# Altium PCB PA_8CH_CTRL.PcbDoc (part 5 of 11)
Units mil, origin at the board's own origin, x right, y up, seen from the top; angles counter-clockwise.
Board outline 15354.33 x 4330.71 mil, 4 copper layers (Component Side, Signal Layer 1, Power Plane, Solder Side), stack 63.149 mil thick; 907 components, 557 nets, 2683 pads, 1897 vias.
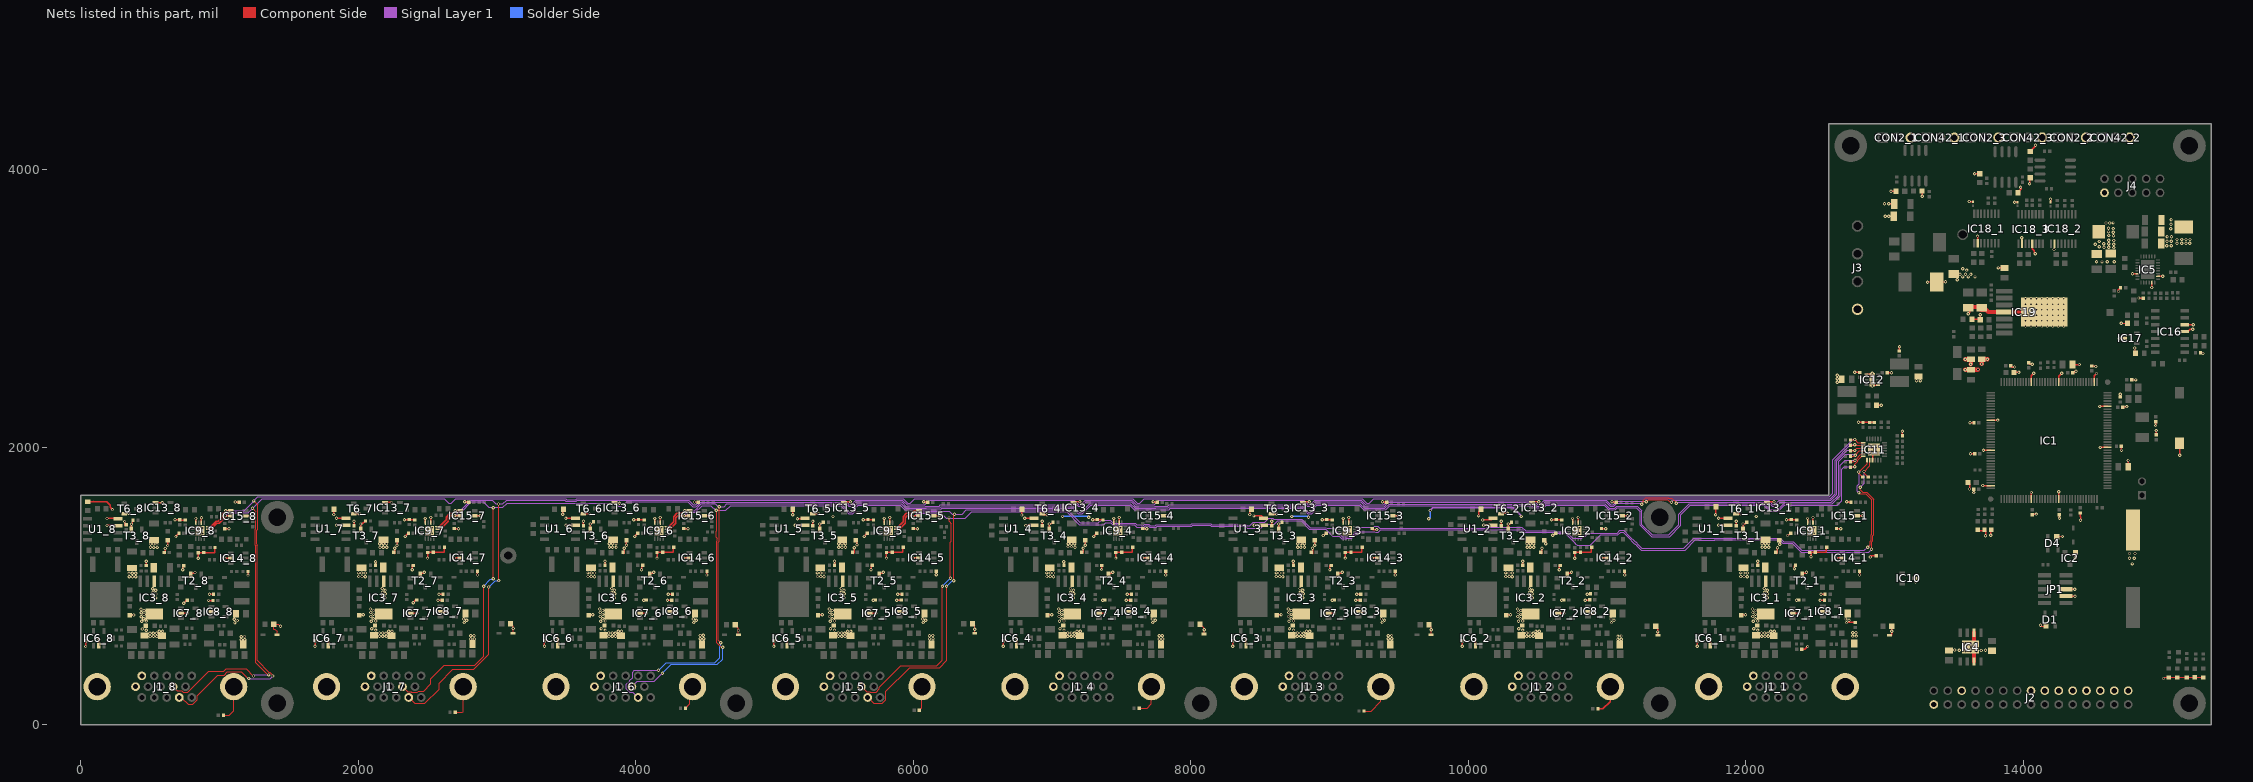
[diagram p7: the nets of this part, all layers, seen from the top]

## Via types
v1: diameter 23.62, hole 11.81, Component Side to Solder Side, tented both sides, 1569 vias
v2: diameter 23.62, hole 11.81, Component Side to Solder Side, 328 vias

## Nets (pads, with @x,y where several pads share a name; then routed paths per layer and width w, separated by ;. In a path a pad name is that pad's centre, name@x,y a point inside that pad or via, vN(x,y) a via of type N, cw(c..) or ccw(c..) an arc to the next point about the centre after c; other vN are vias at no path point) (continued)
GND: C1.2 C2.2 C3.2 C4.2 C5.2 C6.2 C7.2 C8.2 C9.2 C10.2 C11.2 C12.2 C13.2 C14.2 C15.2 C16.2 C17.1 C18.1 C19_1.1 C19_2.1 C19_3.1 C19_4.1 C19_5.1 C19_6.1 C19_7.1 C19_8.1 C20_1.1 C20_2.1 C20_3.1 C20_4.1 C20_5.1 C20_6.1 C20_7.1 C20_8.1 C21.1 C22.1 C24.1 C25.1 C28_1.1 C28_2.1 C28_3.1 C28_4.1 C28_5.1 C28_6.1 C28_7.1 C28_8.1 C29.1 C30.1 C31.1 C32_1.1 C32_2.1 C32_3.1 C32_4.1 C32_5.1 C32_6.1 C32_7.1 C32_8.1 C33_1.1 C33_2.1 C33_3.1 C33_4.1 C33_5.1 C33_6.1 C33_7.1 C33_8.1 C34_1.1 C34_2.1 C34_3.1 C34_4.1 C34_5.1 C34_6.1 C34_7.1 C34_8.1 C36_1.1 C36_2.1 C36_3.1 C36_4.1 C36_5.1 C36_6.1 C36_7.1 C36_8.1 C37_1.1 C37_2.1 C37_3.1 C37_4.1 C37_5.1 C37_6.1 C37_7.1 C37_8.1 C39_1.2 C39_2.2 C39_3.2 C39_4.2 C39_5.2 C39_6.2 C39_7.2 C39_8.2 C42_1.1 C42_2.1 C42_3.1 C42_4.1 C42_5.1 C42_6.1 C42_7.1 C42_8.1 C43_1.1 C43_2.1 C43_3.1 C43_4.1 C43_5.1 C43_6.1 C43_7.1 C43_8.1 C44_1.2 C44_2.2 C44_3.2 C44_4.2 C44_5.2 C44_6.2 C44_7.2 C44_8.2 C45_1.1 C45_2.1 C45_3.1 C45_4.1 C45_5.1 C45_6.1 C45_7.1 C45_8.1 C46_1.2 C46_2.2 C46_3.2 C46_4.2 C46_5.2 C46_6.2 C46_7.2 C46_8.2 C47_1.1 C47_2.1 C47_3.1 C47_4.1 C47_5.1 C47_6.1 C47_7.1 C47_8.1 C48_1.1 C48_2.1 C48_3.1 C48_4.1 C48_5.1 C48_6.1 C48_7.1 C48_8.1 C49_1.2 C49_2.2 C49_3.2 C49_4.2 C49_5.2 C49_6.2 C49_7.2 C49_8.2 C50_1.2 C50_2.2 C50_3.2 C50_4.2 C50_5.2 C50_6.2 C50_7.2 C50_8.2 C51_1.2 C51_2.2 C51_3.2 C51_4.2 C51_5.2 C51_6.2 C51_7.2 C51_8.2 C52.2 C53.2 C54.2 C55.1 C56.1 C57.1 C58.1 C60_1.1 C60_2.1 C60_3.1 C60_4.1 C60_5.1 C60_6.1 C60_7.1 C60_8.1 C61.2 C63.1 C64.1 C65.2 C66.1 C67.1 C68.1 C69.1 C70.1 C74.1 C75.1 C76.1 C109_1.1 C109_2.1 C109_3.1 C110_1.1 C110_2.1 C110_3.1 C113_1.1 C113_2.1 C113_3.1 CON2_1.3 CON2_2.3 CON2_3.3 CON42_1.3 CON42_2.3 CON42_3.3 D1.1 D4.1 D6_1.1 D6_2.1 D6_3.1 D6_4.1 D6_5.1 D6_6.1 D6_7.1 D6_8.1 IC1.16 IC1.31 IC1.38 IC1.51 IC1.61 IC1.83 IC1.94 IC1.107 IC1.120 IC1.130 IC2.1 IC3_1.3 IC3_1.6 IC3_2.3 IC3_2.6 IC3_3.3 IC3_3.6 IC3_4.3 IC3_4.6 IC3_5.3 IC3_5.6 IC3_6.3 IC3_6.6 IC3_7.3 IC3_7.6 IC3_8.3 IC3_8.6 IC4.3 IC4.6 IC4.9 IC5.6 IC5.13 IC5.16 IC6_1.2 IC6_2.2 IC6_3.2 IC6_4.2 IC6_5.2 IC6_6.2 IC6_7.2 IC6_8.2 IC7_1.2 IC7_2.2 IC7_3.2 IC7_4.2 IC7_5.2 IC7_6.2 IC7_7.2 IC7_8.2 IC8_1.2 IC8_2.2 IC8_3.2 IC8_4.2 IC8_5.2 IC8_6.2 IC8_7.2 IC8_8.2 IC9_1.6 IC9_1.8 IC9_1.17 IC9_2.6 IC9_2.8 IC9_2.17 IC9_3.6 IC9_3.8 IC9_3.17 IC9_4.6 IC9_4.8 IC9_4.17 IC9_5.6 IC9_5.8 IC9_5.17 IC9_6.6 IC9_6.8 IC9_6.17 IC9_7.6 IC9_7.8 IC9_7.17 IC9_8.6 IC9_8.8 IC9_8.17 IC10.3 IC11.9 IC11.25 IC12.1 IC12.6 IC12.11 IC13_1.1 IC13_2.1 IC13_3.1 IC13_4.1 IC13_5.1 IC13_6.1 IC13_7.1 IC13_8.1 IC14_1.2 IC14_2.2 IC14_3.2 IC14_4.2 IC14_5.2 IC14_6.2 IC14_7.2 IC14_8.2 IC15_1.2 IC15_2.2 IC15_3.2 IC15_4.2 IC15_5.2 IC15_6.2 IC15_7.2 IC15_8.2 IC16.11 IC16.12 IC17.3 IC18_1.10 IC18_2.10 IC18_3.10 IC18_3.13 IC19.4 IC19.8 J1_1.6 J1_1.11 J1_1.16 J1_1.17 J1_2.6 J1_2.11 J1_2.16 J1_2.17 J1_3.6 J1_3.11 J1_3.16 J1_3.17 J1_4.6 J1_4.11 J1_4.16 J1_4.17 J1_5.6 J1_5.11 J1_5.16 J1_5.17 J1_6.6 J1_6.11 J1_6.16 J1_6.17 J1_7.6 J1_7.11 J1_7.16 J1_7.17 J1_8.6 J1_8.11 J1_8.16 J1_8.17 J2.1 J2.3 J2.5 J2.7 J2.9 J2.11 J2.13 J2.15 J2.25 J2.30 J3.4 J4.10 JP1.3 JP1.5 L3.2 L5.2 LD1_1.1 LD1_2.1 LD1_3.1 LD1_4.1 LD1_5.1 LD1_6.1 LD1_7.1 LD1_8.1 LD2_1.1 LD2_2.1 LD2_3.1 LD2_4.1 LD2_5.1 LD2_6.1 LD2_7.1 LD2_8.1 LD3.1 LD9.1 LD10.1 LD11.1 LD12_1.2 LD12_2.2 LD12_3.2 LD12_4.2 LD12_5.2 LD12_6.2 LD12_7.2 LD12_8.2 LD16.1 LD17.1 LD18.2 LD19.1 PB1.2 R2.1 R4.2 R9_1.1 R9_2.1 R9_3.1 R9_4.1 R9_5.1 R9_6.1 R9_7.1 R9_8.1 R13_1.1 R13_2.1 R13_3.1 R13_4.1 R13_5.1 R13_6.1 R13_7.1 R13_8.1 R16.1 R18.1 R31.1 R34_1.2 R34_2.2 R34_3.2 R34_4.2 R34_5.2 R34_6.2 R34_7.2 R34_8.2 R40_1.2 R40_2.2 R40_3.2 R40_4.2 R40_5.2 R40_6.2 R40_7.2 R40_8.2 R50_1.2 R50_2.2 R50_3.2 R50_4.2 R50_5.2 R50_6.2 R50_7.2 R50_8.2 R59_1.2 R59_2.2 R59_3.2 R59_4.2 R59_5.2 R59_6.2 R59_7.2 R59_8.2 R66.1 R67.1 R69.1 R82.1 R83.1 R85_1.1 R85_2.1 R85_3.1 R85_4.1 R85_5.1 R85_6.1 R85_7.1 R85_8.1 R90_1.1 R90_2.1 R90_3.1 R90_4.1 R90_5.1 R90_6.1 R90_7.1 R90_8.1 R95.2 R97.1 R99.1 T2_1.2 T2_2.2 T2_3.2 T2_4.2 T2_5.2 T2_6.2 T2_7.2 T2_8.2 T3_1.2 T3_2.2 T3_3.2 T3_4.2 T3_5.2 T3_6.2 T3_7.2 T3_8.2 T6_1.2 T6_2.2 T6_3.2 T6_4.2 T6_5.2 T6_6.2 T6_7.2 T6_8.2 U1_1.3 U1_1.4 U1_2.3 U1_2.4 U1_3.3 U1_3.4 U1_4.3 U1_4.4 U1_5.3 U1_5.4 U1_6.3 U1_6.4 U1_7.3 U1_7.4 U1_8.3 U1_8.4 | length 19445.8
  Component Side w6: v1(365.6,1446.6) 376.5,1457.5 R40_8.2@376.5,1475 ; R34_8.2@1028.5,70 1070,70 1102.17,102.17 J1_8.17@1102.17,275.59 ; D6_8.1@1401.02,648.98 D6_8.1@1415.51,648.98 1415.51,674.49 1400,690 1391.5,690 C28_8.1@1391.5,725 1425,725 v1(1440,710) ; R34_7.2@2698.5,90 2750,90 2755.71,95.71 J1_7.17@2755.71,275.59 ; C28_7.1@3096.5,730 3116.18,710.31 v1(3116.18,695) D6_7.1@3116.18,660 ; v1(3672.69,1447.74) 3679.24,1447.74 R40_6.2@3696.5,1465 ; R34_6.2@4358.5,120 4390,151.5 4390,256.34 J1_6.17@4409.25,275.59 ; C28_6.1@4716.5,720 4716.5,718.5 4740,695 v1(4740,680) 4740,660 ; v1(5326.23,1447.74) 5337.74,1447.74 5350,1460 R40_5.2@5351.5,1460 ; R34_5.2@6043.5,105 6045,105 6062.8,122.8 J1_5.17@6062.8,275.59 ; C28_5.1@6430,730 6442.99,717.01 v1(6442.99,688.7) D6_5.1@6442.99,660.39 ; v1(6979.77,1447.74) 6994.24,1447.74 R40_4.2@7006.5,1460 ; R34_4.2@7628.5,120 7685,120 7716.34,151.34 J1_4.17@7716.34,275.59 ; C28_4.1@8066.5,725 8096.18,695.31 v1(8096.18,685) D6_4.1@8096.18,655 ; R34_3.2@9248.5,100 9300,100 9369.88,169.88 J1_3.17@9369.88,275.59 ; C28_3.1@9716.5,720 9716.5,718.5 9732.17,702.83 v1(9732.17,685) D6_3.1@9732.17,649.76 ; v2(13310.04,3190.94) 13311.02,3191.93 L5.2@13375.98,3191.93 13437.99,3191.93 v2(13438.98,3192.91) ; v2(14124.02,718.5) 14129.92,712.6 D1.1@14163.39,712.6 ; v2(14221.25,3426.28) 14222.33,3425.2 14222.44,3425.2 14224.9,3427.66 IC18_2.10@14224.9,3468.5 ; D4.1@14242.13,1354.33 14246.06,1358.27 v2(14281.5,1358.27) ; v2(14704.72,2893.7) R95.2@14751.97,2893.7 ; C1.2@14780.72,2486 14809.82,2486 v2(14810.04,2486.22) ; v2(14803.15,2716.54) 14808.07,2711.61 R97.1@14808.07,2677.17 ; v2(15009.84,334.65) 15016.73,341.54 LD18.2@15049.21,341.54 LD17.1@15108.27,341.54 LD16.1@15177.17,341.54 LD3.1@15295.28,341.54
  Component Side w10: v1(35,565) C43_8.1@35,606.14 ; R9_8.1@51.18,1608.27 90.55,1608.27 92.52,1610.24 93.5,1609.25 ; 93.5,1608.27 185.83,1608.27 211.79,1582.31 211.79,1568.21 v1(228.54,1551.46) ; IC6_8.2@130,572.68 v1(130,615) ; v1(189.52,1437.48) U1_8.3@257.28,1437.48 ; v1(189.48,1487.48) U1_8.4@257.28,1487.48 ; T6_8.2@314.37,1520.75 318.62,1525 v1(346,1525) ; C20_8.1@316,1434.72 v1(316,1466) ; LD1_8.1@352.76,790.43 354.32,792 v1(383,792) ; T3_8.2@365.6,1408.28 v1(365.6,1446.6) ; R13_8.1@471.65,1148.7 v1(471.65,1178.65) ; C42_8.1@527.95,1332.76 C42_8.1@530.2,1330.5 ; IC13_8.1@539.29,1601.57 v1(586.57,1601.57) ; C39_8.2@601.28,1242 609.51,1233.77 v1(609.51,1271.51) ; v1(626,1293) LD12_8.2@626,1329.52 LD12_8.2@626,1330.5 ; v1(679,1478) 679.72,1478.72 C49_8.2@713,1478.72 ; v1(686,1357) 686,1357.72 C44_8.2@708.28,1380 ; C49_8.2@717,1476.72 718.21,1475.5 R59_8.2@756,1475.5 ; IC7_8.2@723.82,803.86 v1(768.14,803.86) ; v1(734.72,1117.28) C46_8.2@734.72,1148 ; v1(742,876) 742.43,876 764.43,898 765.43,897 C47_8.1@767.28,898.86 ; T2_8.2@792.6,1084.13 792.6,1093 818,1093 v1(823,1098) ; v1(830,1487) 830.47,1486.53 IC9_8.8@830.47,1456.93 ; v1(846,1201) C48_8.1@846,1241.28 886,1241.28 C51_8.2@887,1242.28 961.72,1242.28 964.72,1245.28 C45_8.1@964.72,1278 ; IC9_8.6@869.84,1456.93 v1(869.84,1493.16) ; v1(921,897) 922,896 C50_8.2@948.72,896 ; v1(928,941) R50_8.2@957.5,941 ; IC8_8.2@949,813.86 949.86,813 v1(988,813) ; R90_8.1@1039,1413.5 1039.5,1413 v1(1069,1413) ; v1(1040,1202) IC14_8.2@1080.85,1202 ; v1(1114,1606) 1123.45,1606 1125.91,1603.54 C60_8.1@1143.62,1603.54 ; IC15_8.2@1186.93,1505.12 1187.71,1505.9 v1(1220.47,1505.9) ; v1(1205.5,1079.5) R85_8.1@1205.5,1105 ; v1(1688.54,566.14) C43_7.1@1688.54,607.28 ; IC6_7.2@1783.54,573.82 v1(1783.54,616.14) ; v1(1824,1516) 1824,1554.16 R9_7.1@1824.21,1554.37 ; v1(1843.02,1488.62) U1_7.4@1910.83,1488.62 ; v1(1843.06,1438.62) U1_7.3@1910.83,1438.62 ; T6_7.2@1967.91,1521.89 1968.02,1522 v1(2007,1522) ; C20_7.1@1969.54,1435.86 v1(1969.54,1467.14) ; LD1_7.1@2006.3,791.57 2007.87,793.14 v1(2036.54,793.14) ; T3_7.2@2019.14,1409.42 v1(2019.14,1447.74) 2027.79,1447.74 2049.05,1469 R40_7.2@2051.5,1469 ; v1(2125,1175) 2125,1150.04 R13_7.1@2125.2,1149.84 ; C42_7.1@2181.5,1333.9 C42_7.1@2183.75,1331.65 ; IC13_7.1@2192.83,1602.72 v1(2240.12,1602.72) ; C39_7.2@2254.83,1243.14 2263.06,1234.91 v1(2263.06,1272.65) ; v1(2279.54,1294.14) LD12_7.2@2279.54,1330.66 LD12_7.2@2279.54,1331.65 ; v1(2332.54,1479.14) 2333.26,1479.86 C49_7.2@2366.54,1479.86 ; v1(2339.54,1358.14) 2339.54,1358.86 C44_7.2@2361.83,1381.14 ; C49_7.2@2370.54,1477.86 2371.76,1476.65 R59_7.2@2409.54,1476.65 ; IC7_7.2@2377.36,805 v1(2421.69,805) ; v1(2388.26,1118.43) C46_7.2@2388.26,1149.14 ; v1(2397,880) 2397,881.89 2416.11,901 2418.97,898.14 C47_7.1@2420.83,900 ; T2_7.2@2446.14,1085.28 2446.14,1094.14 2471.54,1094.14 v1(2476.54,1099.14) ; v1(2483.54,1488.14) 2484.02,1487.67 IC9_7.8@2484.02,1458.07 ; v1(2499.54,1202.14) C48_7.1@2499.54,1242.43 2539.54,1242.43 C51_7.2@2540.54,1243.43 2615.26,1243.43 2618.26,1246.43 C45_7.1@2618.26,1279.14 ; IC9_7.6@2523.39,1458.07 v1(2523.39,1494.3) ; v1(2574.54,898.14) 2575.54,897.14 C50_7.2@2602.27,897.14 ; v1(2581.54,942.14) R50_7.2@2611.04,942.14 ; IC8_7.2@2602.54,815 2603.4,814.14 v1(2641.54,814.14) ; R90_7.1@2692.54,1414.64 2693.04,1414.14 v1(2722.54,1414.14) ; v1(2693.54,1203.14) IC14_7.2@2734.39,1203.14 ; v1(2767.54,1607.14) 2776.99,1607.14 2779.45,1604.69 C60_7.1@2797.17,1604.69 ; IC15_7.2@2840.47,1506.26 v1(2879.66,1506.26) ; v1(2859.05,1080.64) R85_7.1@2859.05,1106.14 ; v1(3342.09,566.14) C43_6.1@3342.09,607.28 ; IC6_6.2@3437.09,573.82 v1(3437.09,616.14) ; v1(3474,1518) 3474,1550.61 R9_6.1@3477.76,1554.37 ; v1(3496.57,1488.62) U1_6.4@3564.37,1488.62 ; v1(3496.61,1438.62) U1_6.3@3564.37,1438.62 ; T6_6.2@3621.46,1521.89 3623.35,1520 v1(3666,1520) ; C20_6.1@3623.09,1435.86 v1(3623.09,1467.14) ; LD1_6.1@3659.84,791.57 3661.41,793.14 v1(3690.09,793.14) ; T3_6.2@3672.69,1409.42 v1(3672.69,1447.74) ; R13_6.1@3778.74,1149.84 v1(3778.74,1179.8) ; C42_6.1@3835.04,1333.9 C42_6.1@3837.29,1331.65 ; IC13_6.1@3846.38,1602.72 3852.09,1597 v1(3882,1597) ; C39_6.2@3908.37,1243.14 3916.6,1234.91 v1(3916.6,1272.65) ; v1(3933.09,1294.14) LD12_6.2@3933.09,1330.66 LD12_6.2@3933.09,1331.65 ; v1(3986.09,1479.14) 3986.8,1479.86 C49_6.2@4020.09,1479.86 ; v1(3993.09,1358.14) 3993.09,1358.86 C44_6.2@4015.37,1381.14 ; C49_6.2@4024.09,1477.86 4025.3,1476.65 R59_6.2@4063.09,1476.65 ; IC7_6.2@4030.91,805 v1(4075.23,805) ; v1(4041.8,1118.43) C46_6.2@4041.8,1149.14 ; v1(4058.09,898.14) 4072.51,898.14 C47_6.1@4074.37,900 ; T2_6.2@4099.69,1085.28 4099.69,1094.14 4125.09,1094.14 v1(4130.09,1099.14) ; v1(4137.09,1488.14) 4137.56,1487.67 IC9_6.8@4137.56,1458.07 ; v1(4153.09,1202.14) C48_6.1@4153.09,1242.43 4193.09,1242.43 C51_6.2@4194.09,1243.43 4268.8,1243.43 4271.8,1246.43 C45_6.1@4271.8,1279.14 ; IC9_6.6@4176.93,1458.07 v1(4176.93,1494.3) ; v1(4228.09,898.14) 4229.09,897.14 C50_6.2@4255.81,897.14 ; v1(4235.09,942.14) R50_6.2@4264.58,942.14 ; IC8_6.2@4256.09,815 4256.94,814.14 v1(4295.09,814.14) ; R90_6.1@4346.09,1414.64 4346.58,1414.14 v1(4376.09,1414.14) ; v1(4347.09,1203.14) IC14_6.2@4387.94,1203.14 ; v1(4423,1606) 4449.39,1606 C60_6.1@4450.71,1604.69 ; IC15_6.2@4494.02,1506.26 v1(4533.2,1506.26) ; v1(4512.59,1080.64) R85_6.1@4512.59,1106.14 ; v1(4995.63,566.14) C43_5.1@4995.63,607.28 ; IC6_5.2@5090.63,573.82 v1(5090.63,616.14) ; v1(5131,1515) 5131,1554.67 R9_5.1@5131.3,1554.37 ; v1(5150.15,1438.62) U1_5.3@5217.91,1438.62 ; v1(5165,1485) 5214.29,1485 U1_5.4@5217.91,1488.62 ; T6_5.2@5275,1521.89 5276.11,1523 v1(5316,1523) ; C20_5.1@5276.63,1435.86 v1(5276.63,1467.14) ; LD1_5.1@5313.39,791.57 5314.95,793.14 v1(5343.63,793.14) ; T3_5.2@5326.23,1409.42 v1(5326.23,1447.74) ; R13_5.1@5432.28,1149.84 v1(5432.28,1179.8) ; C42_5.1@5488.58,1333.9 C42_5.1@5490.83,1331.65 ; IC13_5.1@5499.92,1602.72 5505.64,1597 5516.64,1608 v1(5547,1608) ; C39_5.2@5561.91,1243.14 5570.14,1234.91 5574,1238.77 v1(5574,1277) ; LD12_5.2@5586.63,1331.65 5594,1324.28 v1(5594,1298) ; v1(5639.63,1479.14) 5640.35,1479.86 C49_5.2@5673.63,1479.86 ; v1(5646.63,1358.14) 5646.63,1358.86 C44_5.2@5668.91,1381.14 ; C49_5.2@5677.63,1477.86 5678.84,1476.65 R59_5.2@5716.63,1476.65 ; IC7_5.2@5684.45,805 v1(5728.77,805) ; v1(5695.35,1118.43) C46_5.2@5695.35,1149.14 ; v1(5711.63,898.14) 5726.06,898.14 C47_5.1@5727.91,900 ; T2_5.2@5753.23,1085.28 5753.23,1094.14 5778.63,1094.14 v1(5783.63,1099.14) ; v1(5790.63,1488.14) 5791.1,1487.67 IC9_5.8@5791.1,1458.07 ; v1(5806.63,1202.14) C48_5.1@5806.63,1242.43 5846.63,1242.43 C51_5.2@5847.63,1243.43 5922.35,1243.43 5925.35,1246.43 C45_5.1@5925.35,1279.14 ; IC9_5.6@5830.47,1458.07 v1(5830.47,1494.3) ; v1(5881.63,898.14) 5882.63,897.14 C50_5.2@5909.35,897.14 ; v1(5888.63,942.14) R50_5.2@5918.13,942.14 ; IC8_5.2@5909.63,815 5910.49,814.14 v1(5948.63,814.14) ; R90_5.1@5999.63,1414.64 6000.13,1414.14 v1(6029.63,1414.14) ; v1(6000.63,1203.14) IC14_5.2@6041.48,1203.14 ; v1(6074.63,1607.14) 6084.08,1607.14 6086.54,1604.69 C60_5.1@6104.25,1604.69 ; IC15_5.2@6147.56,1506.26 v1(6186.75,1506.26) ; v1(6165,1082) 6165,1105.01 R85_5.1@6166.13,1106.14 ; v1(6649.17,566.14) C43_4.1@6649.17,607.28 ; IC6_4.2@6744.17,573.82 v1(6744.17,616.14) ; v1(6783,1513) 6783,1552.53 R9_4.1@6784.84,1554.37 ; v1(6803.65,1488.62) U1_4.4@6871.46,1488.62 ; v1(6811.01,1437.01) 6869.84,1437.01 U1_4.3@6871.46,1438.62 ; T6_4.2@6928.54,1521.89 6936.43,1514 v1(6964,1514) ; C20_4.1@6930.17,1435.86 v1(6930.17,1467.14) ; LD1_4.1@6966.93,791.57 6968.5,793.14 v1(6997.17,793.14) ; T3_4.2@6979.77,1409.42 v1(6979.77,1447.74) ; v1(7085,1175) 7085,1150.67 R13_4.1@7085.83,1149.84 ; C42_4.1@7142.13,1333.9 C42_4.1@7144.38,1331.65 ; IC13_4.1@7153.46,1602.72 7159.18,1597 7170.18,1608 v1(7201,1608) ; C39_4.2@7215.46,1243.14 7223.69,1243.14 v1(7223.69,1272.65) ; v1(7240.17,1294.14) LD12_4.2@7240.17,1330.66 LD12_4.2@7240.17,1331.65 ; v1(7293.17,1479.14) 7293.89,1479.86 C49_4.2@7327.17,1479.86 ; v1(7300.17,1358.14) 7300.17,1358.86 C44_4.2@7322.46,1381.14 ; C49_4.2@7331.17,1477.86 7332.39,1476.65 R59_4.2@7370.17,1476.65 ; IC7_4.2@7337.99,805 v1(7382.31,805) ; v1(7357,1119) C46_4.2@7357,1141.03 ; v1(7365.17,898.14) 7379.6,898.14 C47_4.1@7381.46,900 ; T2_4.2@7406.77,1085.28 7406.77,1094.14 7432.17,1094.14 v1(7437.17,1099.14) ; v1(7444.17,1488.14) 7444.65,1487.67 IC9_4.8@7444.65,1458.07 ; v1(7460.17,1202.14) C48_4.1@7460.17,1242.43 7500.17,1242.43 C51_4.2@7501.17,1243.43 7575.89,1243.43 7578.89,1246.43 C45_4.1@7578.89,1279.14 ; IC9_4.6@7484.02,1458.07 v1(7484.02,1494.3) ; v1(7535.17,898.14) 7536.17,897.14 C50_4.2@7562.9,897.14 ; v1(7542.17,942.14) R50_4.2@7571.67,942.14 ; IC8_4.2@7563.17,815 7564.03,814.14 v1(7602.17,814.14) ; R90_4.1@7653.17,1414.64 7653.67,1414.14 v1(7683.17,1414.14) ; v1(7654.17,1203.14) IC14_4.2@7695.02,1203.14 ; v1(7728.17,1607.14) 7737.62,1607.14 7740.08,1604.69 C60_4.1@7757.8,1604.69 ; IC15_4.2@7801.1,1506.26 7801.46,1505.9 v1(7824.79,1505.9) ; v1(7819.68,1080.64) R85_4.1@7819.68,1106.14 ; v1(8302.72,566.14) C43_3.1@8302.72,607.28 ; IC6_3.2@8397.72,573.82 v1(8397.72,616.14) ; v1(8425.2,1515.75) 8425.2,1537.18 8441,1552.98 8439,1554.98 R9_3.1@8438.39,1554.37 ; v1(8454.71,1505.9) 8507.72,1505.9 U1_3.4@8525,1488.62 ; v1(8457.24,1438.62) U1_3.3@8525,1438.62 ; T6_3.2@8582.09,1521.89 8586.98,1517 v1(8619,1517) ; C20_3.1@8583.72,1435.86 v1(8583.72,1467.14) ; LD1_3.1@8620.47,791.57 8622.04,793.14 v1(8650.72,793.14) ; T3_3.2@8633.31,1409.42 v1(8633.31,1447.74) ; v1(8738,1179) 8738,1151.21 R13_3.1@8739.37,1149.84 ; C42_3.1@8795.67,1333.9 C42_3.1@8797.92,1331.65 ; IC13_3.1@8807.01,1602.72 8812.72,1597 8823.72,1608 v1(8854,1608) ; C39_3.2@8869,1243.14 8877.23,1234.91 v1(8877.23,1272.65) ; v1(8893.72,1294.14) LD12_3.2@8893.72,1330.66 LD12_3.2@8893.72,1331.65 ; v1(8946.72,1479.14) 8947.43,1479.86 C49_3.2@8980.72,1479.86 ; v1(8954,1365) 8959.86,1365 C44_3.2@8976,1381.14 ; C49_3.2@8984.72,1477.86 8985.93,1476.65 R59_3.2@9023.72,1476.65 ; IC7_3.2@8991.54,805 v1(9035.86,805) ; v1(9002.43,1118.43) C46_3.2@9002.43,1149.14 ; v1(9018.72,898.14) 9033.14,898.14 C47_3.1@9035,900 ; T2_3.2@9060.31,1085.28 9060.31,1094.14 9085.72,1094.14 v1(9090.72,1099.14) ; v1(9097.72,1488.14) 9098.19,1487.67 IC9_3.8@9098.19,1458.07 ; v1(9113.72,1202.14) C48_3.1@9113.72,1242.43 9153.72,1242.43 C51_3.2@9154.72,1243.43 9229.43,1243.43 9232.43,1246.43 C45_3.1@9232.43,1279.14 ; IC9_3.6@9137.56,1458.07 v1(9137.56,1494.3) ; v1(9188.72,898.14) 9189.72,897.14 C50_3.2@9216.44,897.14 ; v1(9195.72,942.14) R50_3.2@9225.21,942.14 ; IC8_3.2@9216.72,815 9217.57,814.14 v1(9255.72,814.14) ; R90_3.1@9306.72,1414.64 9313.87,1407.48 v1(9340.55,1407.48) ; v1(9307.72,1203.14) IC14_3.2@9348.57,1203.14 ; v1(9381.72,1607.14) 9391.17,1607.14 9393.62,1604.69 C60_3.1@9411.34,1604.69 ; IC15_3.2@9454.65,1506.26 v1(9493.83,1506.26) ; v1(9473.22,1080.64) R85_3.1@9473.22,1106.14 ; v1(9956.26,566.14) C43_2.1@9956.26,607.28 ; IC6_2.2@10051.26,573.82 v1(10051.26,616.14) ; v1(10074,1506) 10074,1536.44 R9_2.1@10091.93,1554.37 ; v1(10105,1477) 10166.92,1477 U1_2.4@10178.54,1488.62 ; v1(10110.78,1438.62) U1_2.3@10178.54,1438.62 ; T6_2.2@10235.63,1521.89 10238.74,1525 v1(10280,1525) ; C20_2.1@10237.26,1435.86 v1(10237.26,1467.14) ; LD1_2.1@10274.02,791.57 10275.58,793.14 v1(10304.26,793.14) ; T3_2.2@10286.86,1409.42 v1(10286.86,1447.74) 10302.33,1447.74 10311.5,1456.91 R40_2.2@10311.5,1460 ; R13_2.1@10392.91,1149.84 v1(10392.91,1179.8) ; C42_2.1@10449.21,1333.9 C42_2.1@10451.46,1331.65 ; IC13_2.1@10460.55,1602.72 10466.27,1597 10477.27,1608 v1(10508,1608) ; C39_2.2@10522.54,1243.14 10530.77,1234.91 v1(10530.77,1272.65) ; LD12_2.2@10547.26,1331.65 10558,1320.91 v1(10558,1305) ; v1(10600.26,1479.14) 10600.98,1479.86 C49_2.2@10634.26,1479.86 ; v1(10608,1366) 10612.4,1366 10613.4,1365 C44_2.2@10629.54,1381.14 ; C49_2.2@10638.26,1477.86 10639.47,1476.65 R59_2.2@10677.26,1476.65 ; IC7_2.2@10645.08,805 v1(10689.4,805) ; v1(10655.98,1118.43) C46_2.2@10655.98,1149.14 ; v1(10672.26,898.14) 10686.69,898.14 C47_2.1@10688.54,900 ; T2_2.2@10713.86,1085.28 10713.86,1094.14 10739.26,1094.14 v1(10744.26,1099.14) ; v1(10751.26,1488.14) 10751.73,1487.67 IC9_2.8@10751.73,1458.07 ; v1(10767,1201) 10767,1242.17 C48_2.1@10767.26,1242.43 10807.26,1242.43 C51_2.2@10808.26,1243.43 10882.98,1243.43 10885.98,1246.43 C45_2.1@10885.98,1279.14 ; IC9_2.6@10791.1,1458.07 v1(10791.1,1494.3) ; v1(10842.26,898.14) 10843.26,897.14 C50_2.2@10869.98,897.14 ; v1(10857,942) 10878.61,942 R50_2.2@10878.76,942.14 ; IC8_2.2@10870.26,815 10875.84,815 10888.84,802 v1(10908,802) ; R34_2.2@10933.5,115 10970,115 11023.43,168.43 J1_2.17@11023.43,275.59 ; R90_2.1@10960.26,1414.64 10960.76,1414.14 v1(10990.26,1414.14) ; v1(10961.26,1203.14) IC14_2.2@11002.11,1203.14 ; v1(11035.26,1607.14) 11044.71,1607.14 11047.17,1604.69 C60_2.1@11064.88,1604.69 ; IC15_2.2@11108.19,1506.26 v1(11147.38,1506.26) ; v1(11126.76,1080.64) R85_2.1@11126.76,1106.14 ; C28_2.1@11351.5,710 11351.5,708.5 11366.18,693.82 v1(11366.18,670) D6_2.1@11366.18,645 ; v1(11649.17,566.14) C43_1.1@11649.17,607.28 ; IC6_1.2@11744.17,573.82 v1(11744.17,616.14) ; v1(11782,1515) 11782,1551.53 R9_1.1@11784.84,1554.37 ; v1(11803.65,1488.62) U1_1.4@11871.46,1488.62 ; v1(11803.69,1438.62) U1_1.3@11871.46,1438.62 ; T6_1.2@11928.54,1521.89 11930.43,1520 v1(11965,1520) ; C20_1.1@11930.17,1435.86 v1(11930.17,1467.14) ; LD1_1.1@11966.93,791.57 11968.5,793.14 v1(11997.17,793.14) ; T3_1.2@11979.77,1409.42 v1(11979.77,1447.74) 11982.03,1450 11996.5,1450 R40_1.2@12006.5,1460 ; v1(12085,1179) 12085,1150.67 R13_1.1@12085.83,1149.84 ; C42_1.1@12142.13,1333.9 C42_1.1@12144.38,1331.65 ; IC13_1.1@12153.46,1602.72 12159.18,1597 12170.18,1608 v1(12203,1608) ; C39_1.2@12215.46,1243.14 12223.68,1234.91 12227.68,1238.91 12227.68,1276.69 v1(12228,1277) ; LD12_1.2@12240.17,1331.65 12245,1326.82 v1(12245,1301) ; v1(12293.17,1479.14) 12293.89,1479.86 C49_1.2@12327.17,1479.86 ; v1(12300,1365) 12306.31,1365 C44_1.2@12322.46,1381.14 ; C49_1.2@12331.17,1477.86 12332.39,1476.65 R59_1.2@12370.17,1476.65 ; IC7_1.2@12337.99,805 v1(12382.31,805) ; v1(12350,1125) 12350,1144.03 C46_1.2@12352,1146.03 ; v1(12365.17,898.14) 12379.6,898.14 C47_1.1@12381.46,900 ; R34_1.2@12403.5,545 12430,545 12430,550 v1(12445,565) ; T2_1.2@12406.77,1085.28 12406.77,1094.14 12432.17,1094.14 v1(12437.17,1099.14) ; v1(12444.17,1488.14) 12444.65,1487.67 IC9_1.8@12444.65,1458.07 ; v1(12470,1212) 12470,1232.6 C48_1.1@12460.17,1242.43 12500.17,1242.43 C51_1.2@12501.17,1243.43 12575.89,1243.43 12578.89,1246.43 C45_1.1@12578.89,1279.14 ; IC9_1.6@12484.02,1458.07 v1(12484.02,1494.3) ; v1(12535.17,898.14) 12536.17,897.14 C50_1.2@12562.9,897.14 ; v1(12542.17,942.14) R50_1.2@12571.67,942.14 ; IC8_1.2@12563.17,815 12564.03,814.14 v1(12602.17,814.14) ; R90_1.1@12653.17,1414.64 12653.67,1414.14 v1(12683.17,1414.14) ; v1(12654.17,1203.14) IC14_1.2@12695.02,1203.14 ; v1(12728.17,1607.14) 12737.62,1607.14 12740.08,1604.69 C60_1.1@12757.8,1604.69 ; 12743,740 12744.5,738.5 R83.1@12788,738.5 ; 12743.17,740 v1(12743.17,753.14) ; v1(12785,2541) 12786.28,2539.72 C57.1@12820,2539.72 ; IC15_1.2@12801.1,1506.26 v1(12840.29,1506.26) ; v1@12812.02,2180.02 R67.1@12893.35,2180.02 R69.1@12932.72,2180.02 ; v1(12819.68,1080.64) R85_1.1@12819.68,1106.14 ; IC12.1@12869.86,2527.74 12903.26,2527.74 IC12.11@12904,2527 ; v1(12896,1210) 12896,1211 12903,1218 C52.2@12939.28,1218 ; IC11.9@12913.03,1907.58 12913.03,1974.51 IC11.25@12922.87,1984.35 ; IC12.11@12921,2451 12923,2449 IC12.6@12952.54,2449 ; R82.1@12942.5,2305 12973,2305 v1(12975,2303) ; C55.1@13020.72,2538 v1(13050,2538) ; v1(13030,3755) C75.1@13068.94,3755 ; D6_1.1@13036.18,645 13050,645 13051.5,646.5 v1(13051.5,675) C28_1.1@13051.5,710 ; v2(13046.26,3846.46) C109_1.1@13081.69,3846.46 ; C65.2@13107,2694.72 13107,2725 v2(13108,2726) ; R66.1@13128.39,2082.78 v1(13128.39,2115.39) ; IC10.3@13221.24,1056 13221.24,1029.76 v1(13222,1029) ; C110_1.1@13270.67,3847.44 13270.67,3811.02 v2(13271.65,3810.04) ; C17.1@13601.47,1746 13612,1735.47 v1(13612,1700) ; v2(13602.36,2962.6) 13614.17,2974.41 C66.1@13614.17,3011.81 ; v2(13609.92,3771.84) 13613.05,3768.7 C113_1.1@13637.8,3768.7 ; v1(13616,2177) C8.2@13644.28,2177 C8.2@13648.22,2177 ; v1(13619,1954) C5.2@13650.28,1954 C5.2@13654.22,1954 ; R31.1@13628.94,2922.24 13688.78,2922.24 C70.1@13689.96,2921.06 13689.96,2954.72 v2(13688.98,2955.71) ; v1(13643,1674) 13643,1694.78 C9.2@13647.22,1699 ; v2(13648.62,3971.46) 13649.61,3972.44 C109_3.1@13687.01,3972.44 ; v2(13669.29,3522.64) 13670.77,3521.16 IC18_1.10@13670.77,3470.47 ; LD10.1@13675,1409.5 13686.87,1397.64 13728,1397.64 13728,1365 v1(13727,1364) ; v1(13707,1725) 13707.8,1724.2 IC1.107@13764.74,1724.2 ; v1(13712.1,1980.1) IC1.94@13764.74,1980.1 ; IC1.83@13764.74,2196.64 v1(13815.64,2196.64) ; v1(13765,1366) 13765,1393.5 LD11.1@13781,1409.5 ; v2(13818.9,3293.31) C64.1@13864.17,3293.31 ; C14.2@13908.72,2589 13918.98,2578.73 v1(13936.98,2578.73) ; C18.1@13933.53,2540 13934.53,2541 v1(13968,2541) ; v2(13937.01,3766.73) 13937.99,3767.72 C113_3.1@13957.68,3767.72 ; C110_3.1@13961.61,3833.66 13961.61,3838.58 13986.22,3863.19 13986.22,3871.06 13983.08,3874.2 v2(13980.01,3874.2) ; v2(13988.87,3511) 13988.87,3514.46 13989.67,3515.26 IC18_3.10@13989.67,3466.54 ; C12.2@14038,2604.78 14044.36,2598.42 v1(14064.93,2598.42) ; v2(14045,3900) 14045,3938.5 C110_2.1@14050,3943.5 C110_2.1@14053.68,3947.19 ; C109_2.1@14050,4134.45 14086.61,4171.06 14086.61,4177.17 v2(14087.6,4178.15) ; IC1.120@14058.05,1627.74 v1(14058.05,1674.95) ; IC1.61@14058.05,2470.26 14058.05,2517.05 v1(14075,2534) ; C11.2@14063,1519.22 14092.78,1519.22 v1(14093,1519) ; IC18_3.13@14064.67,3466.54 14064.67,3431.44 14078.12,3417.99 14078.12,3401.21 14083.5,3395.84 v2(14085.33,3395.84) ; C113_2.1@14195.87,3765.75 v2(14195.87,3787.4) ; IC1.130@14254.9,1627.74 v1(14254.9,1680.9) ; IC1.51@14254.9,2470.26 14254.9,2512.9 v1(14277,2535) ; v1(14260,1490) C13.2@14260,1515.28 C13.2@14260,1519.22 ; JP1.3@14306.77,928 v1(14372,928) ; JP1.5@14306.77,978 v1(14371,978) ; C10.2@14353.43,2597 v1(14404,2597) ; R2.1@14361.5,2539 14371.71,2549.21 v1(14379.89,2549.21) ; IC2.1@14368,1242 IC2.1@14375,1242 14379,1242 14375,1238 v1(14375,1205) ; R4.2@14409.47,1527.72 14409.47,1501.55 14412,1499.02 v1(14412,1475) ; C15.2@14493,2582.78 v1(14522.78,2582.78) ; IC1.38@14510.8,2470.26 14510.8,2515.8 v1(14527,2532) ; v1(14549.94,2295.06) IC1.31@14607.26,2295.06 ; v1(14555.21,1999.79) IC1.16@14607.26,1999.79 ; v1(14685.53,3123.52) 14685.53,3135.8 14685.04,3136.28 14700.86,3152.1 R18.1@14701.35,3151.61 ; v1(14687.99,2784.45) IC17.3@14716.54,2784.45 ; C2.2@14699,2358.78 C2.2@14699,2362.72 v1(14699,2383) ; C6.2@14702.78,2009 14707,2004.78 v1(14707,1978) ; C7.2@14711.78,2294 v1(14746,2294) ; v1(14755,1905) 14755.43,1904.57 C16.2@14755.43,1860 ; v1@14786.86,3252.08 IC5.6@14822.06,3252.08 ; v1(14832.86,3076.61) 14834.36,3075.1 R16.1@14863.86,3075.1 ; v1(14926.39,3152.08) IC5.13@14926.39,3187.12 ; v1(14953,2157) C4.2@14953,2185.28 ; C3.2@14957,2090.72 v1(14957,2121) ; IC5.16@14971.66,3232.39 v1(15004.65,3232.39) ; v1(15127,1944) PB1.2@15127,2030.93 ; IC16.11@15162.37,2834.63 15186.24,2834.63 15203.42,2851.8 v1(15221.42,2851.8) ; IC16.12@15162.37,2884.63 v1(15225.24,2884.63) ; R99.1@15276.92,2681.8 15281.56,2677.16 v1(15295.24,2677.16)